# Allegro board 6089-103-RevB_76.brd (continued)
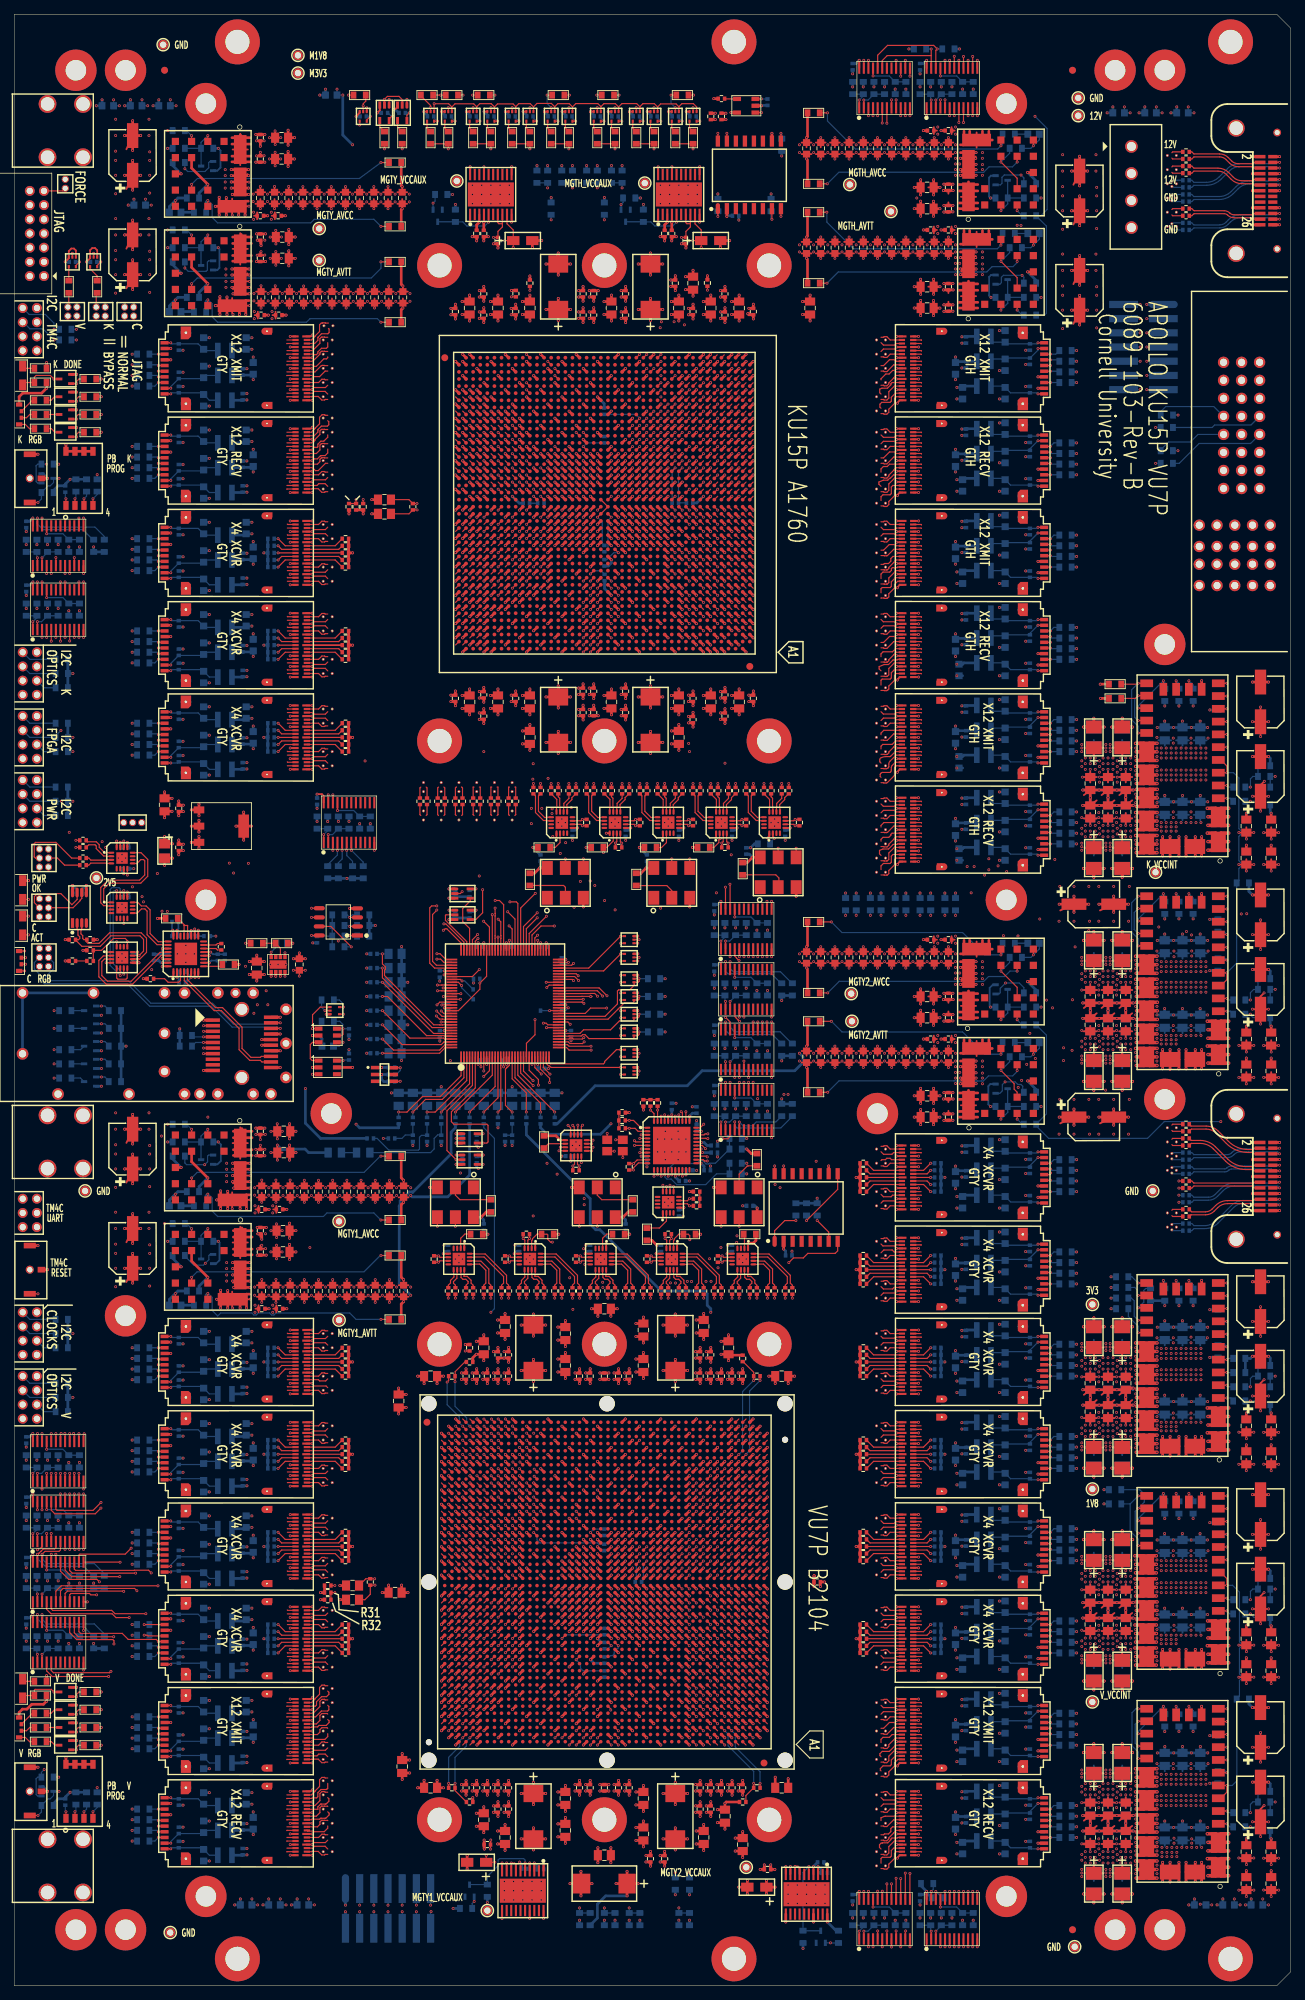
[diagram p0: board, top side]
## Routing (per net, layer and track width the routed paths; a pad name or vN(x,y) marks a point on that pad's centre or on a via; arc(x,y) is an arc through that point) (continued)
VCC_M1V8: length 44.5
  TOP w0.165: U53.5 v1(71.16,262.73) ; U67.5 v1(85.66,262.73) ; v1(9.21,242.9) 8.7,242.39 U7.5 ; U62.5 v1(83.16,262.73) ; U78.5 v1(91.16,262.73) ; U77.5 v1(88.66,262.73) ; v1(12.21,242.9) 11.7,242.39 U9.5 ; U50.5 v1(68.16,262.73) ; U40.1 v1(55.36,265.8) ; U55.5 v1(73.66,262.73) ; U38.1 v1(52.86,265.8) ; U49.5 v1(65.66,262.73)
  TOP w0.381: U33.5 v1(47.7,129.4) ; C260.1 v1(98.83,263.85) ; U90.5 v1(101.04,263.93) ; C272.1 v1(100.33,263.85)
  PWR4 w0.254: 39.33,272.67 PM16.1 ; PM16.1 40.67,272.67 ; PM16.1 39.12,272 ; PM16.1 40.67,271.33 ; PM16.1 40,272.88 ; PM16.1 39.33,271.33 ; PM16.1 40.88,272 ; PM16.1 40,271.12
  BOTTOM w0.165: v1(14.01,265.74) C968.1 v1(14.83,264.9) ; C781.1 70.65,263.23 v1(71.16,262.73) ; v1(88.66,262.73) 88.15,263.23 C758.1 ; v1(73.66,262.73) 73.15,263.23 C778.1 ; C761.1 85.15,263.23 v1(85.66,262.73) ; C969.1 v1(12.21,242.9) ; C971.1 v1(9.21,242.9) ; v1(68.16,262.73) 67.65,263.23 C786.1 ; v1(45.51,267.24) C829.1 v1(46.33,266.4) ; v1(65.66,262.73) 65.15,263.23 C794.1 ; C762.1 82.65,263.23 v1(83.16,262.73) ; v1(91.16,262.73) 90.65,263.23 C755.1
  BOTTOM w0.381: R508.1 54.2,120.89 48.71,120.89 v1(48.2,121.4) ; v1(47.7,259.4) 46.33,260.77 v1(46.33,266.4)
VCC_M3V3: length 208.5
  TOP w0.165: U52.8 v1(65.8,129.48) ; U52.69 v1(73.8,147.32) ; v1(53.38,263.4) 53.2,263.4 52.86,263.06 U38.5 ; U39.4 v1(54.42,127.45) ; U57.5 v1(76.66,262.73) ; U31.4 v1(38.17,142.25) ; U52.47 v1(78.12,137.8) ; U86.5 v1(96.66,262.73) ; C52.1 v1(39.36,143.09) ; C52.1 v1(41.04,143.09) ; C52.1 v1(40.2,142.27) ; U60.5 v1(79.16,262.73) ; U52.39 v1(77.77,134.6) ; U52.79 v1(69.8,147.32) ; U31.5 v1(38.17,145.55) ; U74.5 v1(85.49,133.9) ; U40.5 55.36,263.55 v1(55.71,263.9) ; U52.26 v1(73,129.83) ; U75.5 v1(85.49,130.9) ; U72.5 v1(85.49,138.9) ; U32.6 v1(46.36,134.87) 46.36,134.86 46.36,134.09 46.17,133.9 U32.5 ; U45.5 v1(65.1,154.56) ; U52.68 v1(74.2,146.97) ; U69.5 v1(85.49,146.9) ; U52.101 v1(60.63,143) ; U71.5 v1(85.49,141.4) ; U41.5 v1(59.66,262.73) ; R82.1 v1(60.13,266.4) R86.1 ; U52.122 v1(60.63,134.6) ; U42.5 v1(62.16,262.73) ; D2.3 v1(1.45,145.8) ; U52.63 v1(78.12,144.2) ; R94.1 v1(64.63,266.4) ; U52.90 v1(65.4,146.97) ; D6.2 v1(2.01,150.72) ; U46.1 v1(61.3,151.56) ; U90.3 v1(105.36,265.87) ; U35.8 v1(41.92,148) ; R28.1 v1(32.63,146.9) ; U52.16 v1(69,129.48) ; v1(50.21,263.4) 49.7,262.89 U37.5 ; U70.5 v1(85.49,144.4) ; R70.1 v1(47.13,266.4) ; R115.1 v1(82.13,266.4) ; U52.28 v1(73.8,129.83) ; U52.7 v1(65.4,129.83) ; U48.1 v1(62.3,117.06) ; U33.6 v1(46.36,130.37) ; U73.5 v1(85.49,136.4) ; U52.113 v1(60.28,138.2) ; U84.5 v1(94.16,262.73) ; U90.1 v1(105.36,263.93) ; R134.1 v1(95.77,266.4) ; U76.5 v1(85.49,128.4) ; U34.5 v1(46.41,137.9) ; R108.1 v1(78.27,266.4) ; U47.5 v1(66.1,120.06)
  PWR2 w0.254: 39.33,268.83 PM15.1 ; PM15.1 40,268.62 ; PM15.1 39.33,270.17 ; PM15.1 39.12,269.5 ; PM15.1 40.67,268.83 ; PM15.1 40,270.38 ; PM15.1 40.67,270.17 ; PM15.1 40.88,269.5 ; J1.2 2.2,241.78 ; J1.2 1.53,240.23 ; J1.2 2.87,240.23 ; J1.2 1.53,241.57 ; J1.2 3.08,240.9 ; J1.2 2.2,240.02 ; J1.2 2.87,241.57 ; J1.2 1.32,240.9 ; J6.3 1.58,109.77 ; J6.3 1.2,108.02 ; J6.3 1.87,109.57 ; J6.3 2.07,109.28 ; J6.3 2.08,108.9 ; J6.3 1.87,108.23 ; J6.3 1.2,109.78 ; J6.3 2.07,108.52
  BOTTOM w0.165: v1(60.28,138.2) 60.43,138.35 C804.1 ; C773.1 73.85,129.78 v1(73.8,129.83) ; C752.1 93.65,263.23 v1(94.16,262.73) ; R538.2 45.9,135.9 46.33,135.47 46.33,134.89 v1(46.36,134.87) 46.37,134.85 C827.1 ; v1(177.77,55.9) R206.1 R207.1 ; C799.1 62.51,116.85 v1(62.3,117.06) ; v1(53.38,263.4) 53.2,263.4 52.7,263.9 C825.1 ; v1(157.33,263.9) C548.1 v1(156.51,264.74) ; v1(46.41,137.9) 46.41,138.34 45.84,138.9 R537.2 ; v1(62.16,262.73) 61.65,263.23 C803.1 ; R530.2 R531.2 R532.2 ; v1(77.77,134.6) 77.77,134.6 C765.1 ; v1(60.63,143) 60.62,143.01 C808.1 ; R532.2 42.75,147.9 C832.1 42.06,147.85 v1(41.92,148) ; R532.2 R533.1 ; v1(176.83,11.4) C479.1 v1(176.01,12.24) ; R675.2 v1(8.77,231.9) ; v1(177.77,25.9) R210.1 R211.1 ; C795.1 64.89,154.35 v1(65.1,154.56) ; C784.1 68.75,129.73 v1(69,129.48) ; v1(33.51,12.24) C858.1 v1(34.33,11.4) ; v1(66.1,120.06) 65.89,119.85 C792.1 ; C812.1 v1(55.71,263.9) ; R592.1 v1(21.63,247.4) ; C771.1 76.15,263.23 v1(76.66,262.73) ; C769.1 77.77,137.45 v1(78.12,137.8) ; v1(69.8,147.32) 70.15,146.97 C783.1 ; C772.1 74.25,146.92 v1(74.2,146.97) ; R595.1 v1(21.63,121.4) ; R509.1 v1(52.04,119.4) ; R674.2 v1(8.77,233.4) ; C766.1 78.65,263.23 v1(79.16,262.73) ; v1(61.3,151.56) 61.51,151.35 C801.1 ; v1(65.4,146.97) 65.25,146.82 C790.1 ; R321.1 145.51,133.95 145.51,122.86 144.06,121.41 R324.1 144.06,121.17 145.83,119.41 159.78,119.41 162.14,121.77 v1(170.1,121.77) ; v1(143.91,263.41) 145.62,261.7 145.62,250.27 144.75,249.4 R315.1 145.51,247.95 145.51,235.66 145.25,235.4 R318.1 ; R199.1 R198.1 v1(177.77,140.4) ; v1(22.01,265.74) C960.1 v1(22.83,264.9) ; v1(59.66,262.73) 59.15,263.23 C809.1 ; v1(96.66,262.73) 96.15,263.23 C747.1 ; v1(78.12,144.2) 77.87,143.95 C768.1 ; v1(54.42,127.45) 54.37,127.4 C824.1 ; C826.1 v1(50.21,263.4) ; R653.1 v1(11.7,212.93) ; v1(177.77,170.4) R194.1 R195.1 ; R654.1 v1(11.7,27.93) ; R589.1 v1(21.63,261.4) ; C828.1 46.44,130.45 v1(46.36,130.37) ; R203.1 R202.1 v1(177.77,85.9) ; R598.1 v1(21.2,107.4) ; v1(65.4,129.83) 65.75,130.18 C787.1 ; v1(60.63,134.6) 60.61,134.57 C807.1 ; C731.1 105.37,265.85 v1(105.36,265.87) 105.34,265.85 C732.1
/CLK_SYNTH_INT: length 24.5
  TOP w0.165: v1(97.2,121.4) 96.7,120.9 U81.33 ; U92.4 101.58,136.57 101.81,136.34 101.81,136.33 102.05,136.08 102.07,136.08 v1(102.25,135.9)
  SIG1 w0.079: v1(102.25,135.9) 103.9,134.25 103.9,131.3 104.54,130.66 104.54,126.95 104.36,126.77 104.36,125.44 v1(104.8,125)
  SIG2 w0.079: v1(97.2,121.4) 97.24,121.4 100.44,124.6 104.4,124.6 v1(104.8,125)
/CLK_SYNTH_LOL: length 26.9
  TOP w0.165: 102.22,137.6 v1(102.22,136.5) ; U81.27 v1(96.83,117.9)
  SIG1 w0.079: v1(102.22,136.5) 105.19,133.53 105.19,123.19 100.32,118.32 97.29,118.32 96.87,117.9 v1(96.83,117.9)
/CLK_SYNTH_LOS: length 28
  TOP w0.165: U81.28 96.99,118.4 v1(97.44,117.95) ; U92.6 v1(102.88,136.5)
  SIG1 w0.079: v1(97.44,117.95) 97.83,117.56 100.26,117.56 105.77,123.06 105.77,133.61 v1(102.88,136.5)
/CLK_SYNTH_OUT_EN: length 45.1
  TOP w0.165: U93.15 v1(105.47,135.8) ; U81.12 v1(90.2,114.08)
  SIG1 w0.079: v1(107.97,112.46) 107.97,113.48 107.86,113.59 107.86,133.42 v1(105.47,135.8)
  SIG2 w0.079: v1(90.2,114.08) 91.11,113.17 92.94,113.17 93.64,112.46 98.14,112.46 98.44,112.16 107.66,112.16 v1(107.97,112.46)
/CLK_SYNTH_RESET: length 41.2
  TOP w0.165: U93.16 v1(104.83,135.8) ; U81.17 v1(92.7,114.27)
  SIG1 w0.079: v1(107.27,112.91) 107.57,113.21 107.57,133.06 v1(104.83,135.8)
  SIG2 w0.079: v1(107.27,112.91) 93.89,112.91 92.7,114.09 v1(92.7,114.27)
/CLOCKING_RESET: length 107.4
  TOP w0.165: U93.17 v1(104.17,135.8) ; U10.8 v1(15.95,156.5)
  SIG2 w0.079: v1(15.95,156.5) 15.95,155.04 16.8,154.19 16.8,143.97 19.02,141.74 25.33,141.74 25.35,141.73 25.42,141.73 32.62,134.53 41.86,134.53 41.89,134.5 41.93,134.5 42.23,134.2 84.8,134.2 85,134.4 87.57,134.4 87.94,134.03 98.35,134.03 98.82,134.5 103.06,134.5 104.17,135.62 v1(104.17,135.8)
/CLOCKS_I2C_RESET: length 124.6
  TOP w0.165: v1(99.88,119.34) 100.61,119.34 100.92,119.67 U94.3
  SIG3 w0.079: v1(99.22,101.17) 99.33,101.27 99.33,103.81 99.26,103.88 99.26,107.39 99.88,108 v1(99.88,119.34)
  SIG4 w0.079: v1(99.22,101.17) 98.69,100.64 87.69,100.64 86.94,99.9 80.7,99.9 80.1,99.3 77.34,99.3 76.63,100 65.8,100 63.91,98.11 37.81,98.11 30.6,90.9 22.36,90.9 22.22,91.04 21.93,91.04 21.79,90.9 J7.6
  BOTTOM w0.165: R694.1 4.2,89.9 J7.6
/FPGA_I2C_RESET: length 56.6
  TOP w0.165: 44.92,161.1 v1(44.92,160)
  SIG2 w0.079: v1(44.92,160) 27.09,160 24.82,162.26 8.03,162.26 v1(7.76,162.53)
  SIG4 w0.079: J4.6 7.76,170.34 v1(7.76,162.53)
  BOTTOM w0.165: J4.6 4.2,173.9 R688.1
/K_FF1_RECV_INT: length 121.6
  TOP w0.165: U109.5 v1(146.07,162.5) ; U102.5 v1(131.22,265.73)
  SIG4 w0.079: v1(146.07,162.5) 146.37,162.5 149.1,165.24 149.1,177.05 150.94,178.88 150.94,253.38 148.96,255.36 148.93,255.36 148.73,255.56 148.73,255.59 142.11,262.2 139.16,262.2 136.37,265 131.43,265 131.18,265.25 131.18,265.68 v1(131.22,265.73)
  BOTTOM w0.165: R279.1 146.17,162.4 v1(146.07,162.5)
/K_FF1_RECV_PRESENT: length 125.4
  TOP w0.165: U102.14 v1(135.12,271.84) ; U109.3 v1(146.07,160.9)
  SIG3 w0.079: v1(146.07,160.9) 149.22,164.05 149.22,176.97 150.25,178 150.25,230.57 149.81,231 149.81,261.7 139.66,271.86 135.14,271.86 v1(135.12,271.84)
  BOTTOM w0.165: R280.1 v1(146.07,160.9)
/K_FF1_XMIT_INT: length 107.2
  TOP w0.165: U108.5 v1(146.07,175.5) ; U102.4 v1(130.57,265.73)
  SIG4 w0.079: v1(146.07,175.5) 150.54,179.97 150.54,251.29 140.13,261.7 138.37,261.7 135.35,264.71 131.08,264.71 130.57,265.22 v1(130.57,265.73)
  BOTTOM w0.165: v1(146.07,175.5) 146.17,175.4 R275.1
/K_FF1_XMIT_PRESENT: length 109.9
  TOP w0.165: U108.3 v1(146.07,173.9) ; 135.78,270.2 v1(135.78,271.3)
  SIG3 w0.079: v1(135.78,271.3) 139.52,271.3 149.47,261.36 149.47,235.72 149.19,235.44 149.19,177.51 146.07,174.4 v1(146.07,173.9)
  BOTTOM w0.165: R276.1 v1(146.07,173.9)
/K_FF2_RECV_INT: length 88.8
  TOP w0.165: U107.5 v1(146.07,188.5) ; U102.7 v1(132.53,263.5)
  SIG4 w0.079: v1(132.53,263.5) 133.95,263.5 136.7,260.75 139.88,260.75 148.74,251.9 148.74,250.25 148.73,250.24 148.73,249.96 148.74,249.95 148.74,241.85 148.73,241.84 148.73,241.56 148.74,241.55 148.74,236.25 148.73,236.24 148.73,235.96 148.74,235.95 148.74,191.16 v1(146.07,188.5)
  BOTTOM w0.165: v1(146.07,188.5) 146.17,188.4 R271.1
/K_FF2_RECV_PRESENT: length 98.6
  TOP w0.165: U102.16 v1(133.82,271.84) ; U107.3 v1(146.07,186.9)
  SIG3 w0.079: v1(133.82,271.84) 134.56,271.84 135.51,270.88 139.34,270.88 148.69,261.52 148.69,189.52 v1(146.07,186.9)
  BOTTOM w0.165: R272.1 v1(146.07,186.9)
/K_FF2_XMIT_INT: length 75.7
  TOP w0.165: U102.6 v1(131.88,263.5) ; U106.5 v1(146.07,201.5)
  SIG4 w0.079: v1(131.88,263.5) 131.88,263.28 132.05,263.1 133.8,263.1 137.15,259.75 139.73,259.75 148.33,251.15 148.33,203.53 146.31,201.5 v1(146.07,201.5)
  BOTTOM w0.165: v1(146.07,201.5) 146.17,201.4 R267.1
/K_FF2_XMIT_PRESENT: length 83.4
  TOP w0.165: U102.15 v1(134.47,271.3) ; U106.3 v1(146.07,199.9)
  SIG3 w0.079: v1(134.47,271.3) 135.38,270.4 139.16,270.4 148.2,261.37 148.2,202.16 146.07,200.03 v1(146.07,199.9)
  BOTTOM w0.165: R268.1 v1(146.07,199.9)
/K_FF3_RECV_INT: length 59.9
  TOP w0.165: U102.9 v1(133.82,262.54) ; U105.5 v1(146.07,214.5)
  SIG4 w0.079: v1(133.82,262.54) 138.06,258.3 140.55,258.3 141.51,257.34 141.54,257.34 141.76,257.12 141.76,257.09 143.34,255.51 143.38,255.51 147.31,251.57 147.31,215.74 v1(146.07,214.5)
  BOTTOM w0.165: v1(146.07,214.5) 146.17,214.4 R263.1
/K_FF3_RECV_PRESENT: length 72.1
  TOP w0.165: U105.3 v1(146.07,212.9) ; U102.18 v1(132.53,271.87)
  SIG3 w0.079: v1(146.07,212.9) 146.07,213.55 147.4,214.88 147.4,261.52 138.92,270 135.06,270 133.39,271.67 133.02,271.67 133.02,271.67 132.72,271.67 v1(132.53,271.87)
  BOTTOM w0.165: R264.1 v1(146.07,212.9)
/K_FF3_XMIT_INT: length 46.6
  TOP w0.165: 133.18,264.6 v1(133.18,262.54) ; U104.5 v1(146.07,227.5)
  SIG4 w0.079: v1(146.07,227.5) 146.19,227.5 146.85,228.16 146.85,250.89 140.24,257.5 138,257.5 133.18,262.33 v1(133.18,262.54)
  BOTTOM w0.165: v1(146.07,227.5) 147.24,227.5 R259.1
/K_FF3_XMIT_PRESENT: length 56.9
  TOP w0.165: 133.18,270.2 v1(133.18,271.3) ; U104.3 v1(146.07,225.9)
  SIG3 w0.079: v1(133.18,271.3) 134.92,269.56 138.61,269.56 146.94,261.23 146.94,226.77 v1(146.07,225.9)
  BOTTOM w0.165: v1(146.07,225.9) R260.1
/K_FF4_XCVR_INT: length 32.5
  TOP w0.165: U24.5 v1(20.33,176.3) ; U1.4 v1(4.58,199)
  SIG2 w0.079: v1(20.33,176.3) 13.91,182.72 13.91,189.66 v1(4.58,199)
  BOTTOM w0.165: v1(20.33,176.3) 20.23,176.4 R618.1
/K_FF4_XCVR_PRESENT: length 29.8
  TOP w0.165: U24.3 v1(20.33,177.9) ; U1.8 v1(7.17,199)
  SIG2 w0.079: v1(20.33,177.9) 14.62,183.61 14.62,191.55 v1(7.17,199)
  BOTTOM w0.165: R617.1 v1(20.33,177.9)
/K_FF5_XCVR_INT: length 24.3
  TOP w0.165: 5.22,200.1 v1(5.22,199) ; U23.5 v1(20.33,189.3)
  SIG2 w0.079: v1(5.22,199) 5.7,199.47 12.27,199.47 20.7,191.05 20.7,189.71 20.33,189.34 v1(20.33,189.3)
  BOTTOM w0.165: R614.1 20.23,189.4 v1(20.33,189.3)
/K_FF5_XCVR_PRESENT: length 19.1
  TOP w0.165: U23.3 v1(20.33,190.9) ; U1.9 v1(7.83,199)
  SIG2 w0.079: v1(7.83,199) 8.4,198.43 9.96,198.43 17.48,190.9 v1(20.33,190.9)
  BOTTOM w0.165: R613.1 v1(20.33,190.9)
/K_FF6_XCVR_INT: length 18.6
  TOP w0.165: U22.5 v1(20.33,202.3) ; U1.6 v1(5.88,201.23)
  SIG2 w0.079: v1(20.33,202.3) 19.86,201.84 16.59,201.84 15.54,200.78 6.33,200.78 v1(5.88,201.23)
  BOTTOM w0.165: v1(20.33,202.3) 20.23,202.4 R610.1
/K_FF6_XCVR_PRESENT: length 16.2
  TOP w0.165: U1.10 v1(8.47,201.23) ; U22.3 v1(20.33,203.9)
  SIG2 w0.079: v1(20.33,203.9) 19.81,203.38 10.63,203.38 v1(8.47,201.23)
  BOTTOM w0.165: R609.1 v1(20.33,203.9)
/K_FF7_RECV_INT: length 144.9
  TOP w0.165: U102.11 v1(135.12,263.5) ; U21.5 v1(20.33,215.3)
  SIG1 w0.079: v1(20.33,215.3) 20.38,215.35 24.7,215.35 30.66,221.32 37.62,221.32 40.65,224.34 40.65,233.07 43.63,236.06 60.06,236.06 74.3,250.3 74.3,253.3 76.2,255.2 100.44,255.2 108.18,262.94 134.57,262.94 v1(135.12,263.5)
  BOTTOM w0.165: R606.1 20.23,215.4 v1(20.33,215.3)
/K_FF7_RECV_PRESENT: length 147.1
  TOP w0.165: U21.3 v1(20.33,216.9) ; U102.20 v1(131.22,271.3)
  SIG1 w0.079: v1(131.22,271.3) 130.39,271.3 129.06,269.98 120.3,269.98 119.33,269 111.23,269 99.94,257.7 69.41,257.7 64.26,252.54 64.26,252.02 52.72,240.47 39.16,240.47 36.69,238 35.46,238 33.56,236.1 24.01,236.1 19.6,231.69 19.6,227.7 20.23,227.07 20.48,227.07 20.7,226.85 20.7,225.75 20.64,225.69 20.64,217.21 v1(20.33,216.9)
  BOTTOM w0.165: R605.1 v1(20.33,216.9)
/K_FF7_XMIT_INT: length 133.3
  TOP w0.165: U20.5 v1(20.33,228.3) ; U102.10 v1(134.47,263.5)
  SIG1 w0.079: v1(134.47,263.5) 134.47,263.55 133.63,264.39 108.75,264.39 100.36,256 96.81,256 96.77,255.96 96.48,255.96 96.44,256 92.91,256 92.87,255.96 92.58,255.96 92.54,256 90.96,256 90.92,255.96 90.63,255.96 90.59,256 76.4,256 67.22,246.82 67.22,246.15 60.16,239.09 42.93,239.09 37.74,233.9 31.68,233.9 26.07,228.3 v1(20.33,228.3)
  BOTTOM w0.165: R602.1 20.23,228.4 v1(20.33,228.3)
/K_FF7_XMIT_PRESENT: length 132.2
  TOP w0.165: U20.3 v1(20.33,229.9) ; U102.19 v1(131.88,271.3)
  SIG1 w0.079: v1(20.33,229.9) 27,229.9 31.4,234.3 36.63,234.3 38.3,235.97 38.3,236.4 41.74,239.84 52.75,239.84 70,257.1 100.67,257.1 112.05,268.48 129.05,268.48 v1(131.88,271.3)
  BOTTOM w0.165: R601.1 v1(20.33,229.9)
/K_FF_LEFT_RESET: length 74
  TOP w0.165: U24.6 v1(20.33,175.5) ; U21.6 v1(20.33,214.5) ; U22.6 v1(20.33,201.5) ; U23.6 v1(20.33,188.5) ; U1.14 v1(9.12,206.8) ; U20.6 v1(20.33,227.5)
  SIG1 w0.079: v1(20.33,175.5) 20.82,175.99 20.82,188.01 20.34,188.5 v1(20.33,188.5) 20.84,189.01 20.84,200.88 20.33,201.38 v1(20.33,201.5) 20.34,201.5 20.79,201.94 20.79,214.04 v1(20.33,214.5) 20.33,214.57 19.84,215.05 19.84,215.35 20.9,216.41 20.9,226.94 20.34,227.5 v1(20.33,227.5)
  SIG2 w0.079: v1(20.33,214.5) 14.13,208.3 10.62,208.3 v1(9.12,206.8)
/K_FF_RIGHT_RESET: length 291
  TOP w0.165: U109.6 v1(146.07,163.3) ; U1.13 v1(9.78,206.8) ; U105.6 v1(146.07,215.3) ; U107.6 v1(146.07,189.3) ; U106.6 v1(146.07,202.3) ; U108.6 v1(146.07,176.3) ; U104.6 v1(146.07,228.3)
  SIG3 w0.079: v1(146.07,228.3) 145.62,227.84 145.62,224.85 146.48,223.98 146.48,215.71 v1(146.07,215.3) ; v1(146.07,215.3) 146.07,215.03 145.41,214.36 145.41,202.97 v1(146.07,202.3) 146.07,202.28 145.41,201.61 145.41,189.97 v1(146.07,189.3) 145.56,188.79 145.56,176.81 v1(146.07,176.3) 145.94,176.3 145.41,175.77 145.41,163.97 v1(146.07,163.3) ; v1(146.07,215.3) 143.31,215.3 138.54,220.07 138.54,220.08 137.12,221.5 137.12,247.08 132.31,251.9 v1(127.25,251.9)
  SIG4 w0.079: v1(9.78,206.8) 10.2,207.23 10.2,209.37 10.2,209.38 10.2,209.68 10.2,209.69 10.2,241.9 15.5,247.2 15.5,252.3 17.95,254.76 17.97,254.76 18.17,254.96 18.17,254.98 21.75,258.56 21.77,258.56 21.97,258.76 21.97,258.77 25.1,261.9 39.5,261.9 39.9,261.5 95,261.5 104.61,251.9 v1(127.25,251.9)
/K_FPGA_DONE: length 142.8
  TOP w0.165: U52.78 70.2,148.91 v1(69.77,149.34) ; Q1.3 v1(5.6,226.4) 5.1,226.9 3.08,226.9 2.84,226.65 R2.2 1.52,225.9 D4.1
  SIG2 w0.079: v1(69.77,149.34) 60.81,149.34 60.58,149.1 60.35,149.1 60.04,148.79 49.27,148.79 47.67,150.4 47.67,150.69 46.16,152.2 41.76,152.2 41.63,152.06 32.76,152.06 28.72,156.1 16.9,156.1 12.9,160.1 v1(12.9,160.4)
  SIG4 w0.079: v1(5.6,226.4) 5.6,206.9 14.7,197.8 14.7,164.9 13.5,163.7 13.5,161 v1(12.9,160.4)
/K_MGTH_AVCC_PWR_EN: length 7.8
  TOP w0.165: U118.6 v1(139.1,250.11)
  BOTTOM w0.165: Q9.3 140.05,251.91 R333.1 ; R333.1 R314.2 142.38,251.9 ; R333.1 140.06,251.07 v1(139.1,250.11)
/K_MGTH_AVTT_PWR_EN: length 7.8
  TOP w0.165: U119.6 v1(139.1,236.11)
  BOTTOM w0.165: 142.38,237.9 R317.2 R334.1 ; R334.1 140.05,237.91 Q10.3 ; R334.1 140.06,237.07 v1(139.1,236.11)
/K_MGTH_VCCAUX_EN: length 8.7
  TOP w0.165: U85.5 v1(93.38,248.5)
  BOTTOM w0.165: v1(93.38,248.5) 92.83,247.96 90.33,247.96 89.74,248.54 R458.2 88.69,248.55 Q14.3
/K_MGTY_AVCC_PWR_EN: length 7.8
  TOP w0.165: U15.6 v1(27.3,260.69)
  BOTTOM w0.165: R590.2 R575.1 ; R575.1 26.35,258.89 Q17.3 ; R575.1 26.34,259.73 v1(27.3,260.69)
/K_MGTY_AVTT_PWR_EN: length 7.8
  TOP w0.165: U16.6 v1(27.3,246.69)
  BOTTOM w0.165: v1(27.3,246.69) 26.34,245.73 R576.1 ; Q18.3 26.34,242.41 R576.1 ; R576.1 R593.2
/K_MGTY_VCCAUX_EN: length 8.7
  TOP w0.165: U51.5 v1(66.88,248.5)
  BOTTOM w0.165: v1(66.88,248.5) 66.33,247.96 63.83,247.96 63.24,248.54 R499.2 62.19,248.55 Q16.3
/K_OPTICS_I2C_RESET: length 192.8
  TOP w0.165: 3.92,191.1 v1(3.92,190) ; U100.3 v1(120.42,263.5)
  SIG1 w0.079: J3.6 4.12,184.81 4.12,189.81 v1(3.92,190)
  SIG4 w0.079: v1(120.42,263.5) 119.23,262.3 49.12,262.3 48.62,262.8 23.99,262.8 15,253.81 15,250.2 2.27,237.47 2.27,214.07 4.5,211.84 4.5,205.5 5.3,204.7 5.3,201.28 5.6,200.98 5.6,191.67 v1(3.92,190)
  BOTTOM w0.165: R685.1 4.2,182.9 J3.6
/PWR_I2C_RESET: length 115.6
  TOP w0.165: U91.3 v1(100.92,145)
  SIG1 w0.079: v1(98.99,154) 98.99,151.21 100.85,149.35 100.85,145.08 v1(100.92,145)
  SIG2 w0.079: v1(98.99,154) 85.25,154 83.21,156.04 81.05,156.04 80.2,155.2 62.3,155.2 62.29,155.18 51.02,155.18 46.99,159.21 24,159.21 23,160.2 17.9,160.2 16.12,161.98 6.74,161.98 3.2,165.51 J5.6
  BOTTOM w0.165: R691.1 4.2,164.9 J5.6
/V_FF1_XCVR_INT: length 128
  TOP w0.165: U110.5 v1(146.07,113.5) ; U103.4 v1(130.57,5.5)
  SIG3 w0.079: v1(146.07,113.5) 146.12,113.5 149.2,110.42 149.2,14.4 137.9,3.1 132.97,3.1 v1(130.57,5.5)
  BOTTOM w0.165: v1(146.07,113.5) 146.17,113.4 R283.1
/V_FF1_XCVR_PRESENT: length 112.7
  TOP w0.165: 135.78,12.2 v1(135.78,13.3) ; U110.3 v1(146.07,111.9)
  SIG2 w0.079: v1(135.78,13.3) 135.78,13.58 137.3,15.1 144.6,15.1 148.82,19.32 148.82,109.15 v1(146.07,111.9)
  BOTTOM w0.165: R284.1 v1(146.07,111.9)
/V_FF2_XCVR_INT: length 113.5
  TOP w0.165: U111.5 v1(146.07,100.5) ; U103.5 v1(131.22,5.5)
  SIG1 w0.079: v1(131.22,5.5) 133.32,3.4 137.7,3.4 148.82,14.53 148.82,97.75 v1(146.07,100.5)
  BOTTOM w0.165: v1(146.07,100.5) 146.17,100.4 R287.1
/V_FF2_XCVR_PRESENT: length 99.6
  TOP w0.165: U111.3 v1(146.07,98.9) ; U103.14 v1(135.12,13.3)
  SIG4 w0.079: v1(146.07,98.9) 148.46,96.52 148.46,19.66 144.2,15.4 136.9,15.4 135.12,13.62 v1(135.12,13.3)
  BOTTOM w0.165: R288.1 v1(146.07,98.9)
/V_FF3_XCVR_INT: length 98.9
  TOP w0.165: U112.5 v1(146.07,87.5) ; U103.6 v1(131.88,5.5)
  SIG3 w0.079: v1(131.88,5.5) 133.67,3.7 137.5,3.7 148.43,14.62 148.43,85.15 v1(146.07,87.5)
  BOTTOM w0.165: R291.1 146.17,87.4 v1(146.07,87.5)
/V_FF3_XCVR_PRESENT: length 86.6
  TOP w0.165: U103.15 v1(134.47,13.3) ; U112.3 v1(146.07,85.9)
  SIG2 w0.079: v1(134.47,13.3) 134.47,13.62 136.66,15.8 144,15.8 148.12,19.91 148.12,83.86 v1(146.07,85.9)
  BOTTOM w0.165: R292.1 v1(146.07,85.9)
/V_FF4_XCVR_INT: length 84.4
  TOP w0.165: U103.7 v1(132.53,5.5) ; U113.5 v1(146.07,74.5)
  SIG1 w0.079: v1(146.07,74.5) 148.02,72.55 148.02,14.72 137.3,4 134.02,4 v1(132.53,5.5)
  BOTTOM w0.165: R295.1 146.17,74.4 v1(146.07,74.5)
/V_FF4_XCVR_PRESENT: length 73.6
  TOP w0.165: U113.3 v1(146.07,72.9) ; U103.16 v1(133.82,13.3)
  SIG4 w0.079: v1(133.82,13.3) 133.82,13.62 136.51,16.3 143.9,16.3 147.75,20.16 147.75,71.22 v1(146.07,72.9)
  BOTTOM w0.165: R296.1 v1(146.07,72.9)
/V_FF5_XCVR_INT: length 69.9
  TOP w0.165: U114.5 v1(146.07,61.5) ; 133.18,6.6 v1(133.18,5.5)
  SIG3 w0.079: v1(146.07,61.5) 147.65,59.92 147.65,14.85 137.1,4.3 134.37,4.3 v1(133.18,5.5)
  BOTTOM w0.165: R299.1 146.17,61.4 v1(146.07,61.5)
/V_FF5_XCVR_PRESENT: length 60.6
  TOP w0.165: U114.3 v1(146.07,59.9) ; 133.18,12.2 v1(133.18,13.3)
  SIG2 w0.079: v1(133.18,13.3) 133.17,13.31 133.17,13.61 136.26,16.7 143.7,16.7 147.37,20.37 147.37,58.6 v1(146.07,59.9)
  BOTTOM w0.165: R300.1 v1(146.07,59.9)
/V_FF6_XCVR_INT: length 55.3
  TOP w0.165: U115.5 v1(146.07,48.5) ; U103.9 v1(133.82,5.5)
  SIG1 w0.079: v1(146.07,48.5) 147.25,47.33 147.25,15.04 136.8,4.6 134.72,4.6 v1(133.82,5.5)
  BOTTOM w0.165: R303.1 146.17,48.4 v1(146.07,48.5)
/V_FF6_XCVR_PRESENT: length 47.6
  TOP w0.165: U115.3 v1(146.07,46.9) ; U103.18 v1(132.53,13.3)
  SIG4 w0.079: v1(146.07,46.9) 146.97,46.01 146.97,20.57 145.3,18.9 139.06,18.9 139.03,18.93 138.75,18.93 138.71,18.9 137.84,18.9 132.53,13.59 v1(132.53,13.3)
  BOTTOM w0.165: R304.1 v1(146.07,46.9)
/V_FF7_XCVR_INT: length 55.3
  TOP w0.165: U25.5 v1(20.33,88.3) ; v1(16.21,51.88) 14.35,51.88 13.81,52.41 5.21,52.41 4.58,53.05 U5.4
  SIG2 w0.079: v1(20.33,88.3) 14.02,81.99 14.02,61.12 16.2,58.94 16.2,51.9 v1(16.21,51.88)
  BOTTOM w0.165: R622.1 20.23,88.4 v1(20.33,88.3)
/V_FF7_XCVR_PRESENT: length 40.9
  TOP w0.165: U25.3 v1(20.33,89.9) ; U5.13 14.95,59.7 14.95,59.68 v1(14.93,59.68)
  SIG2 w0.079: v1(14.93,59.68) 14.95,59.68 14.95,59.7 13.66,60.98 13.66,83.23 v1(20.33,89.9)
  BOTTOM w0.165: R621.1 v1(20.33,89.9)
/V_FF8_XCVR_INT: length 40.4
  TOP w0.165: v1(18.56,52.43) 14.21,52.43 13.74,52.9 5.43,52.9 5.22,53.1 5.22,54.1 ; U26.5 v1(20.33,75.3)
  SIG2 w0.079: v1(18.56,52.43) 18.56,73.53 v1(20.33,75.3)
  BOTTOM w0.165: R626.1 20.23,75.4 v1(20.33,75.3)
/V_FF8_XCVR_PRESENT: length 27.7
  TOP w0.165: U26.3 v1(20.33,76.9) ; v1(16.48,61.66) 15.65,60.83 9.27,60.83 9.12,60.69 U5.14
  SIG2 w0.079: v1(16.48,61.66) 18.09,63.27 18.09,74.66 v1(20.33,76.9)
  BOTTOM w0.165: R625.1 v1(20.33,76.9)
/V_FF9_XCVR_INT: length 24.6
  TOP w0.165: v1(20.27,56.36) 7.54,56.36 7.53,56.37 6.64,56.37 5.88,55.6 U5.6 ; U27.5 v1(20.33,62.3)
  SIG2 w0.079: v1(20.33,62.3) 20.29,62.3 19.96,61.96 19.96,56.78 20.27,56.47 v1(20.27,56.36)
  BOTTOM w0.165: v1(20.33,62.3) 20.23,62.4 R630.1
/V_FF9_XCVR_PRESENT: length 20.4
  TOP w0.165: U5.15 8.47,58.71 8.65,58.53 16.93,58.53 16.95,58.56 18.94,58.56 v1(19.32,58.17) ; U27.3 v1(20.33,63.9)
  SIG2 w0.079: v1(19.32,58.17) 19.32,62.58 20.33,63.59 v1(20.33,63.9)
  BOTTOM w0.165: R629.1 v1(20.33,63.9)
/V_FF10_XCVR_INT: length 22.9
  TOP w0.165: v1(17.3,55.66) 16.98,55.99 6.89,55.99 6.53,55.62 U5.7 ; U28.5 18.88,49.3 18.77,49.4 v1(18.33,49.4)
  SIG2 w0.079: v1(17.3,55.66) 17.3,50.43 v1(18.33,49.4)
  BOTTOM w0.165: R634.1 v1(18.33,49.4)
/V_FF10_XCVR_PRESENT: length 22.2
  TOP w0.165: U28.3 v1(18.33,50.9) ; v1(17.12,58.15) 8.19,58.15 7.83,58.51 U5.16
  SIG2 w0.079: v1(17.12,58.15) 17.41,58.15 17.86,57.7 17.86,51.37 v1(18.33,50.9)
  BOTTOM w0.165: R633.1 v1(18.33,50.9)
/V_FF11_RECV_INT: length 26
  TOP w0.165: U117.5 v1(146.07,22.5) ; U103.11 v1(135.12,5.5)
  SIG1 w0.079: v1(135.12,5.5) 135.53,5.9 137.1,5.9 146.44,15.24 146.44,22.13 v1(146.07,22.5)
  BOTTOM w0.165: R311.1 146.17,22.4 v1(146.07,22.5)
/V_FF11_RECV_PRESENT: length 21.4
  TOP w0.165: U117.3 v1(146.07,20.9) ; U103.20 v1(131.22,13.3)
  SIG4 w0.079: v1(146.07,20.9) 138.51,20.9 131.22,13.61 v1(131.22,13.3)
  BOTTOM w0.165: R312.1 v1(146.07,20.9)
/V_FF11_XMIT_INT: length 40.7
  TOP w0.165: U116.5 v1(146.07,35.5) ; U103.10 v1(134.47,5.5)
  SIG3 w0.079: v1(146.07,35.5) 146.83,34.74 146.83,15.13 136.7,5 134.97,5 v1(134.47,5.5)
  BOTTOM w0.165: R307.1 146.17,35.4 v1(146.07,35.5)
/V_FF11_XMIT_PRESENT: length 34.6
  TOP w0.165: U116.3 v1(146.07,33.9) ; U103.19 v1(131.88,13.3)
  SIG2 w0.079: v1(146.07,33.9) 146.58,33.39 146.58,20.68 145.6,19.7 137.95,19.7 131.88,13.62 v1(131.88,13.3)
  BOTTOM w0.165: R308.1 v1(146.07,33.9)
/V_FF12_RECV_INT: length 42.5
  TOP w0.165: U5.9 7.83,55.1 8.01,55.28 10.62,55.28 10.81,55.09 v1(11.62,55.09) ; U30.5 v1(20.33,23.3)
  SIG4 w0.079: v1(11.62,55.09) 11.62,32.01 v1(20.33,23.3)
  BOTTOM w0.165: v1(20.33,23.3) 20.23,23.4 R642.1
/V_FF12_RECV_PRESENT: length 45.8
  TOP w0.165: U5.18 6.53,58.42 7.69,57.26 11.67,57.26 v1(12.01,56.92) ; U30.3 v1(20.33,24.9)
  SIG2 w0.079: v1(12.01,56.92) 11.81,56.72 11.81,55.42 11.99,55.24 11.99,54.93 11.81,54.75 11.81,32.61 19.52,24.9 v1(20.33,24.9)
  BOTTOM w0.165: R641.1 v1(20.33,24.9)
/V_FF12_XMIT_INT: length 33.1
  TOP w0.165: v1(15.44,55.58) 15.44,55.62 7.51,55.62 7.17,55.28 U5.8 ; U29.5 v1(20.33,36.3)
  SIG2 w0.079: v1(20.33,36.3) 15.44,41.19 v1(15.44,55.58)